# KiCad board leafony-ap03-stm32.kicad_pcb (continued)
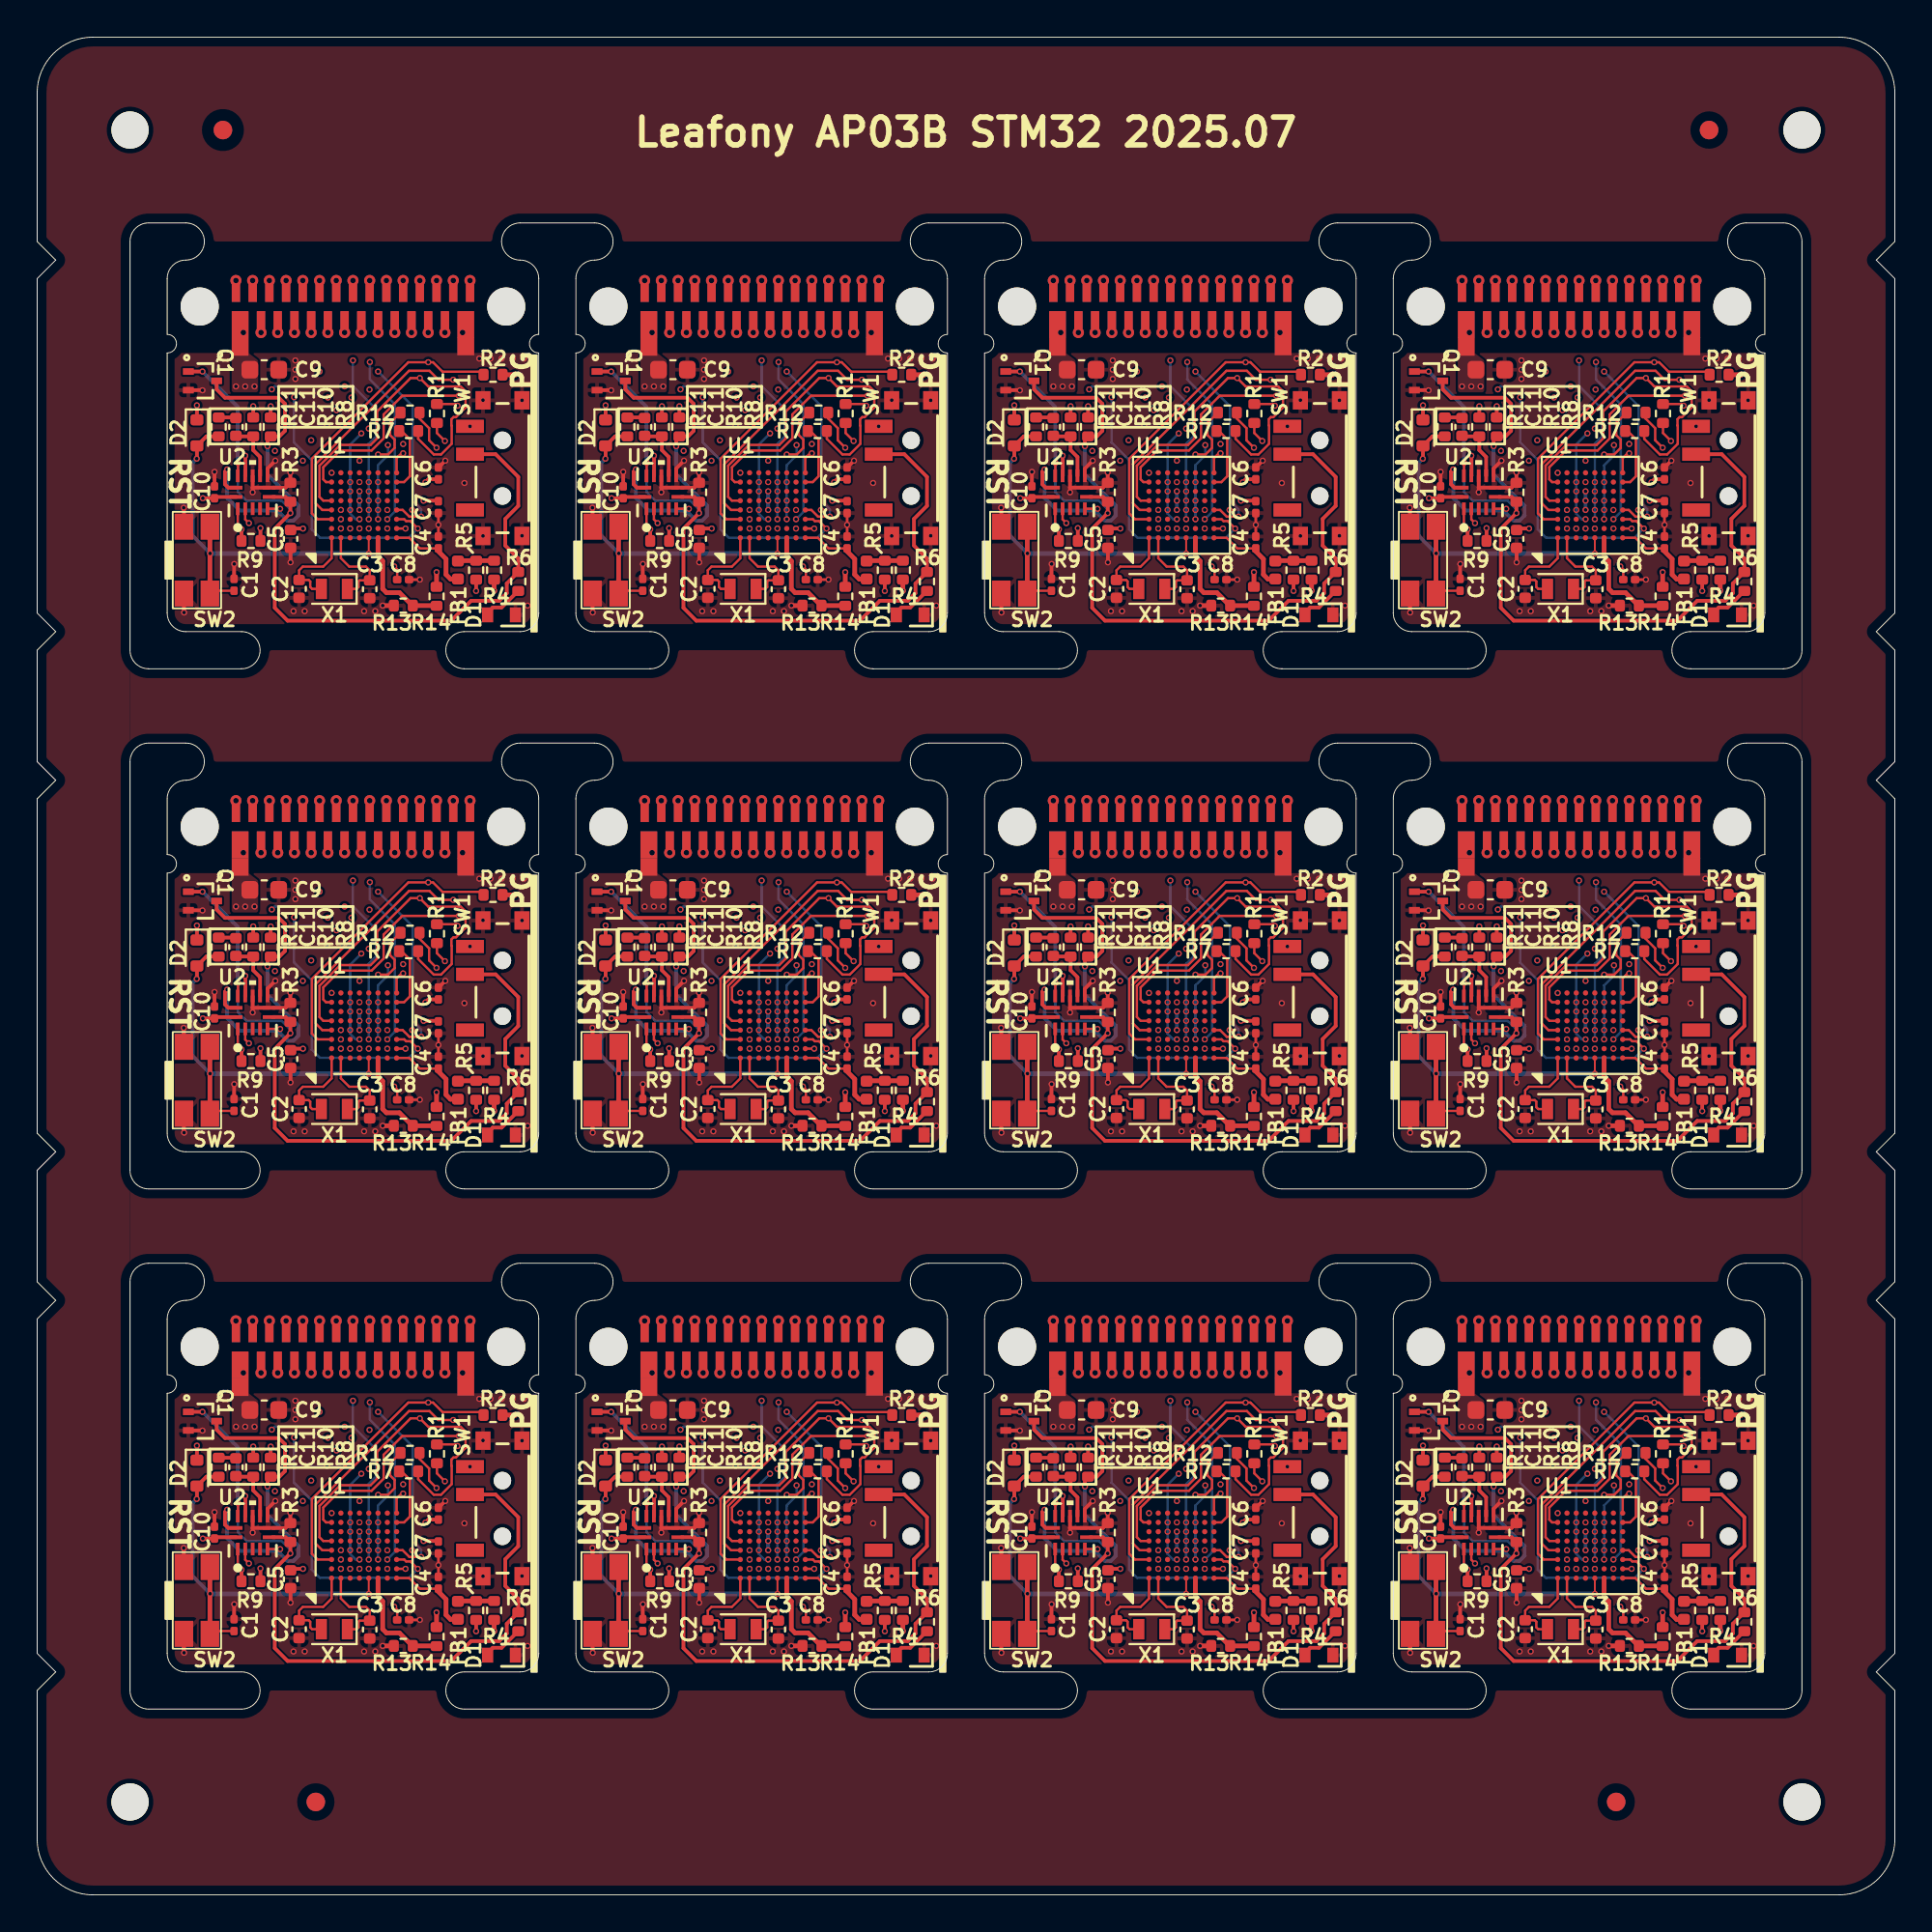
[diagram p0: board, top side]
## Footprints (pads in the part's own frame, mm; a bottom-side part is the same pattern mirrored in y, then rotated) (continued)
R_0402_1005Metric
  rrect 0.54x0.64 smd: 1(-0.51,0) 2(0.51,0)
RUC14
  rect 0.68x0.2 smd: 1(-0.885,0.8) 2(-0.885,0.4) 3(-0.885,0) 4(-0.885,-0.4) 5(-0.885,-0.8) 8(0.885,-0.8) 9(0.885,-0.4) 10(0.885,0) 11(0.885,0.4) 12(0.885,0.8)
  rect 0.2x0.68 smd: 6(-0.25,-0.885) 7(0.25,-0.885) 13(0.25,0.885) 14(-0.25,0.885)
UFBGA-64_5x5mm_Layout8x8_P0.5mm
  round 0.28 smd: A1(-1.75,1.75) A2(-1.25,1.75) A3(-0.75,1.75) A4(-0.25,1.75) A5(0.25,1.75) A6(0.75,1.75) A7(1.25,1.75) A8(1.75,1.75) B1(-1.75,1.25) B2(-1.25,1.25) B3(-0.75,1.25) B4(-0.25,1.25) B5(0.25,1.25) B6(0.75,1.25) B7(1.25,1.25) B8(1.75,1.25) C1(-1.75,0.75) C2(-1.25,0.75) C3(-0.75,0.75) C4(-0.25,0.75) C5(0.25,0.75) C6(0.75,0.75) C7(1.25,0.75) C8(1.75,0.75) D1(-1.75,0.25) D2(-1.25,0.25) D3(-0.75,0.25) D4(-0.25,0.25) D5(0.25,0.25) D6(0.75,0.25) D7(1.25,0.25) D8(1.75,0.25) E1(-1.75,-0.25) E2(-1.25,-0.25) E3(-0.75,-0.25) E4(-0.25,-0.25) E5(0.25,-0.25) E6(0.75,-0.25) E7(1.25,-0.25) E8(1.75,-0.25) F1(-1.75,-0.75) F2(-1.25,-0.75) F3(-0.75,-0.75) F4(-0.25,-0.75) F5(0.25,-0.75) F6(0.75,-0.75) F7(1.25,-0.75) F8(1.75,-0.75) G1(-1.75,-1.25) G2(-1.25,-1.25) G3(-0.75,-1.25) G4(-0.25,-1.25) G5(0.25,-1.25) G6(0.75,-1.25) G7(1.25,-1.25) G8(1.75,-1.25) H1(-1.75,-1.75) H2(-1.25,-1.75) H3(-0.75,-1.75) H4(-0.25,-1.75) H5(0.25,-1.75) H6(0.75,-1.75) H7(1.25,-1.75) H8(1.75,-1.75)

## Nets
+3V3: C5.1 C5#2.1 C5#3.1 C5#4.1 C5#5.1 C5#6.1 C5#7.1 C5#8.1 C5#9.1 C5#10.1 C5#11.1 C5#12.1 C6.1 C6#2.1 C6#3.1 C6#4.1 C6#5.1 C6#6.1 C6#7.1 C6#8.1 C6#9.1 C6#10.1 C6#11.1 C6#12.1 C7.1 C7#2.1 C7#3.1 C7#4.1 C7#5.1 C7#6.1 C7#7.1 C7#8.1 C7#9.1 C7#10.1 C7#11.1 C7#12.1 C8.1 C8#2.1 C8#3.1 C8#4.1 C8#5.1 C8#6.1 C8#7.1 C8#8.1 C8#9.1 C8#10.1 C8#11.1 C8#12.1 C9.1 C9#2.1 C9#3.1 C9#4.1 C9#5.1 C9#6.1 C9#7.1 C9#8.1 C9#9.1 C9#10.1 C9#11.1 C9#12.1 C10.1 C10#2.1 C10#3.1 C10#4.1 C10#5.1 C10#6.1 C10#7.1 C10#8.1 C10#9.1 C10#10.1 C10#11.1 C10#12.1 CN1.B1 CN1.F1 CN1#2.B1 CN1#2.F1 CN1#3.B1 CN1#3.F1 CN1#4.B1 CN1#4.F1 CN1#5.B1 CN1#5.F1 CN1#6.B1 CN1#6.F1 CN1#7.B1 CN1#7.F1 CN1#8.B1 CN1#8.F1 CN1#9.B1 CN1#9.F1 CN1#10.B1 CN1#10.F1 CN1#11.B1 CN1#11.F1 CN1#12.B1 CN1#12.F1 D2.1 D2#2.1 D2#3.1 D2#4.1 D2#5.1 D2#6.1 D2#7.1 D2#8.1 D2#9.1 D2#10.1 D2#11.1 D2#12.1 R1.1 R1#2.1 R1#3.1 R1#4.1 R1#5.1 R1#6.1 R1#7.1 R1#8.1 R1#9.1 R1#10.1 R1#11.1 R1#12.1 R2.1 R2#2.1 R2#3.1 R2#4.1 R2#5.1 R2#6.1 R2#7.1 R2#8.1 R2#9.1 R2#10.1 R2#11.1 R2#12.1 R4.2 R4#2.2 R4#3.2 R4#4.2 R4#5.2 R4#6.2 R4#7.2 R4#8.2 R4#9.2 R4#10.2 R4#11.2 R4#12.2 R8.1 R8#2.1 R8#3.1 R8#4.1 R8#5.1 R8#6.1 R8#7.1 R8#8.1 R8#9.1 R8#10.1 R8#11.1 R8#12.1 R10.1 R10#2.1 R10#3.1 R10#4.1 R10#5.1 R10#6.1 R10#7.1 R10#8.1 R10#9.1 R10#10.1 R10#11.1 R10#12.1 SW1.3 SW1#2.3 SW1#3.3 SW1#4.3 SW1#5.3 SW1#6.3 SW1#7.3 SW1#8.3 SW1#9.3 SW1#10.3 SW1#11.3 SW1#12.3 U1.B2 U1.D2 U1.E4 U1.E5 U1.E6 U1#2.B2 U1#2.D2 U1#2.E4 U1#2.E5 U1#2.E6 U1#3.B2 U1#3.D2 U1#3.E4 U1#3.E5 U1#3.E6 U1#4.B2 U1#4.D2 U1#4.E4 U1#4.E5 U1#4.E6 U1#5.B2 U1#5.D2 U1#5.E4 U1#5.E5 U1#5.E6 U1#6.B2 U1#6.D2 U1#6.E4 U1#6.E5 U1#6.E6 U1#7.B2 U1#7.D2 U1#7.E4 U1#7.E5 U1#7.E6 U1#8.B2 U1#8.D2 U1#8.E4 U1#8.E5 U1#8.E6 U1#9.B2 U1#9.D2 U1#9.E4 U1#9.E5 U1#9.E6 U1#10.B2 U1#10.D2 U1#10.E4 U1#10.E5 U1#10.E6 U1#11.B2 U1#11.D2 U1#11.E4 U1#11.E5 U1#11.E6 U1#12.B2 U1#12.D2 U1#12.E4 U1#12.E5 U1#12.E6 U2.14 U2#2.14 U2#3.14 U2#4.14 U2#5.14 U2#6.14 U2#7.14 U2#8.14 U2#9.14 U2#10.14 U2#11.14 U2#12.14
GND: C1.2 C1#2.2 C1#3.2 C1#4.2 C1#5.2 C1#6.2 C1#7.2 C1#8.2 C1#9.2 C1#10.2 C1#11.2 C1#12.2 C2.2 C2#2.2 C2#3.2 C2#4.2 C2#5.2 C2#6.2 C2#7.2 C2#8.2 C2#9.2 C2#10.2 C2#11.2 C2#12.2 C3.2 C3#2.2 C3#3.2 C3#4.2 C3#5.2 C3#6.2 C3#7.2 C3#8.2 C3#9.2 C3#10.2 C3#11.2 C3#12.2 C4.2 C4#2.2 C4#3.2 C4#4.2 C4#5.2 C4#6.2 C4#7.2 C4#8.2 C4#9.2 C4#10.2 C4#11.2 C4#12.2 C5.2 C5#2.2 C5#3.2 C5#4.2 C5#5.2 C5#6.2 C5#7.2 C5#8.2 C5#9.2 C5#10.2 C5#11.2 C5#12.2 C6.2 C6#2.2 C6#3.2 C6#4.2 C6#5.2 C6#6.2 C6#7.2 C6#8.2 C6#9.2 C6#10.2 C6#11.2 C6#12.2 C7.2 C7#2.2 C7#3.2 C7#4.2 C7#5.2 C7#6.2 C7#7.2 C7#8.2 C7#9.2 C7#10.2 C7#11.2 C7#12.2 C8.2 C8#2.2 C8#3.2 C8#4.2 C8#5.2 C8#6.2 C8#7.2 C8#8.2 C8#9.2 C8#10.2 C8#11.2 C8#12.2 C9.2 C9#2.2 C9#3.2 C9#4.2 C9#5.2 C9#6.2 C9#7.2 C9#8.2 C9#9.2 C9#10.2 C9#11.2 C9#12.2 C10.2 C10#2.2 C10#3.2 C10#4.2 C10#5.2 C10#6.2 C10#7.2 C10#8.2 C10#9.2 C10#10.2 C10#11.2 C10#12.2 CN1.B27 CN1.F27 CN1#2.B27 CN1#2.F27 CN1#3.B27 CN1#3.F27 CN1#4.B27 CN1#4.F27 CN1#5.B27 CN1#5.F27 CN1#6.B27 CN1#6.F27 CN1#7.B27 CN1#7.F27 CN1#8.B27 CN1#8.F27 CN1#9.B27 CN1#9.F27 CN1#10.B27 CN1#10.F27 CN1#11.B27 CN1#11.F27 CN1#12.B27 CN1#12.F27 D1.1 D1#2.1 D1#3.1 D1#4.1 D1#5.1 D1#6.1 D1#7.1 D1#8.1 D1#9.1 D1#10.1 D1#11.1 D1#12.1 Q1.2 Q1#2.2 Q1#3.2 Q1#4.2 Q1#5.2 Q1#6.2 Q1#7.2 Q1#8.2 Q1#9.2 Q1#10.2 Q1#11.2 Q1#12.2 R3.2 R3#2.2 R3#3.2 R3#4.2 R3#5.2 R3#6.2 R3#7.2 R3#8.2 R3#9.2 R3#10.2 R3#11.2 R3#12.2 R13.1 R13#2.1 R13#3.1 R13#4.1 R13#5.1 R13#6.1 R13#7.1 R13#8.1 R13#9.1 R13#10.1 R13#11.1 R13#12.1 SW1.SH SW1#2.SH SW1#3.SH SW1#4.SH SW1#5.SH SW1#6.SH SW1#7.SH SW1#8.SH SW1#9.SH SW1#10.SH SW1#11.SH SW1#12.SH SW2.2 SW2.3 SW2#2.2 SW2#2.3 SW2#3.2 SW2#3.3 SW2#4.2 SW2#4.3 SW2#5.2 SW2#5.3 SW2#6.2 SW2#6.3 SW2#7.2 SW2#7.3 SW2#8.2 SW2#8.3 SW2#9.2 SW2#9.3 SW2#10.2 SW2#10.3 SW2#11.2 SW2#11.3 SW2#12.2 SW2#12.3 U1.C2 U1.D4 U1.D5 U1.D6 U1#2.C2 U1#2.D4 U1#2.D5 U1#2.D6 U1#3.C2 U1#3.D4 U1#3.D5 U1#3.D6 U1#4.C2 U1#4.D4 U1#4.D5 U1#4.D6 U1#5.C2 U1#5.D4 U1#5.D5 U1#5.D6 U1#6.C2 U1#6.D4 U1#6.D5 U1#6.D6 U1#7.C2 U1#7.D4 U1#7.D5 U1#7.D6 U1#8.C2 U1#8.D4 U1#8.D5 U1#8.D6 U1#9.C2 U1#9.D4 U1#9.D5 U1#9.D6 U1#10.C2 U1#10.D4 U1#10.D5 U1#10.D6 U1#11.C2 U1#11.D4 U1#11.D5 U1#11.D6 U1#12.C2 U1#12.D4 U1#12.D5 U1#12.D6 U2.7 U2.8 U2.10 U2#2.7 U2#2.8 U2#2.10 U2#3.7 U2#3.8 U2#3.10 U2#4.7 U2#4.8 U2#4.10 U2#5.7 U2#5.8 U2#5.10 U2#6.7 U2#6.8 U2#6.10 U2#7.7 U2#7.8 U2#7.10 U2#8.7 U2#8.8 U2#8.10 U2#9.7 U2#9.8 U2#9.10 U2#10.7 U2#10.8 U2#10.10 U2#11.7 U2#11.8 U2#11.10 U2#12.7 U2#12.8 U2#12.10
A0: CN1.B6 CN1.F6 CN1#2.B6 CN1#2.F6 CN1#3.B6 CN1#3.F6 CN1#4.B6 CN1#4.F6 CN1#5.B6 CN1#5.F6 CN1#6.B6 CN1#6.F6 CN1#7.B6 CN1#7.F6 CN1#8.B6 CN1#8.F6 CN1#9.B6 CN1#9.F6 CN1#10.B6 CN1#10.F6 CN1#11.B6 CN1#11.F6 CN1#12.B6 CN1#12.F6 U1.H3 U1#2.H3 U1#3.H3 U1#4.H3 U1#5.H3 U1#6.H3 U1#7.H3 U1#8.H3 U1#9.H3 U1#10.H3 U1#11.H3 U1#12.H3
A1: CN1.B8 CN1.F8 CN1#2.B8 CN1#2.F8 CN1#3.B8 CN1#3.F8 CN1#4.B8 CN1#4.F8 CN1#5.B8 CN1#5.F8 CN1#6.B8 CN1#6.F8 CN1#7.B8 CN1#7.F8 CN1#8.B8 CN1#8.F8 CN1#9.B8 CN1#9.F8 CN1#10.B8 CN1#10.F8 CN1#11.B8 CN1#11.F8 CN1#12.B8 CN1#12.F8 U1.G2 U1#2.G2 U1#3.G2 U1#4.G2 U1#5.G2 U1#6.G2 U1#7.G2 U1#8.G2 U1#9.G2 U1#10.G2 U1#11.G2 U1#12.G2
A2: CN1.B10 CN1.F10 CN1#2.B10 CN1#2.F10 CN1#3.B10 CN1#3.F10 CN1#4.B10 CN1#4.F10 CN1#5.B10 CN1#5.F10 CN1#6.B10 CN1#6.F10 CN1#7.B10 CN1#7.F10 CN1#8.B10 CN1#8.F10 CN1#9.B10 CN1#9.F10 CN1#10.B10 CN1#10.F10 CN1#11.B10 CN1#11.F10 CN1#12.B10 CN1#12.F10 U1.H2 U1#2.H2 U1#3.H2 U1#4.H2 U1#5.H2 U1#6.H2 U1#7.H2 U1#8.H2 U1#9.H2 U1#10.H2 U1#11.H2 U1#12.H2
A3: CN1.B12 CN1.F12 CN1#2.B12 CN1#2.F12 CN1#3.B12 CN1#3.F12 CN1#4.B12 CN1#4.F12 CN1#5.B12 CN1#5.F12 CN1#6.B12 CN1#6.F12 CN1#7.B12 CN1#7.F12 CN1#8.B12 CN1#8.F12 CN1#9.B12 CN1#9.F12 CN1#10.B12 CN1#10.F12 CN1#11.B12 CN1#11.F12 CN1#12.B12 CN1#12.F12 R14.2 R14#2.2 R14#3.2 R14#4.2 R14#5.2 R14#6.2 R14#7.2 R14#8.2 R14#9.2 R14#10.2 R14#11.2 R14#12.2 U1.F5 U1#2.F5 U1#3.F5 U1#4.F5 U1#5.F5 U1#6.F5 U1#7.F5 U1#8.F5 U1#9.F5 U1#10.F5 U1#11.F5 U1#12.F5
A4: CN1.B14 CN1.F14 CN1#2.B14 CN1#2.F14 CN1#3.B14 CN1#3.F14 CN1#4.B14 CN1#4.F14 CN1#5.B14 CN1#5.F14 CN1#6.B14 CN1#6.F14 CN1#7.B14 CN1#7.F14 CN1#8.B14 CN1#8.F14 CN1#9.B14 CN1#9.F14 CN1#10.B14 CN1#10.F14 CN1#11.B14 CN1#11.F14 CN1#12.B14 CN1#12.F14 U1.E2 U1#2.E2 U1#3.E2 U1#4.E2 U1#5.E2 U1#6.E2 U1#7.E2 U1#8.E2 U1#9.E2 U1#10.E2 U1#11.E2 U1#12.E2
A5: CN1.B16 CN1.F16 CN1#2.B16 CN1#2.F16 CN1#3.B16 CN1#3.F16 CN1#4.B16 CN1#4.F16 CN1#5.B16 CN1#5.F16 CN1#6.B16 CN1#6.F16 CN1#7.B16 CN1#7.F16 CN1#8.B16 CN1#8.F16 CN1#9.B16 CN1#9.F16 CN1#10.B16 CN1#10.F16 CN1#11.B16 CN1#11.F16 CN1#12.B16 CN1#12.F16 U1.E3 U1#2.E3 U1#3.E3 U1#4.E3 U1#5.E3 U1#6.E3 U1#7.E3 U1#8.E3 U1#9.E3 U1#10.E3 U1#11.E3 U1#12.E3
AREF: CN1.B4 CN1.F4 CN1#2.B4 CN1#2.F4 CN1#3.B4 CN1#3.F4 CN1#4.B4 CN1#4.F4 CN1#5.B4 CN1#5.F4 CN1#6.B4 CN1#6.F4 CN1#7.B4 CN1#7.F4 CN1#8.B4 CN1#8.F4 CN1#9.B4 CN1#9.F4 CN1#10.B4 CN1#10.F4 CN1#11.B4 CN1#11.F4 CN1#12.B4 CN1#12.F4 R5.2 R5#2.2 R5#3.2 R5#4.2 R5#5.2 R5#6.2 R5#7.2 R5#8.2 R5#9.2 R5#10.2 R5#11.2 R5#12.2
BOOT0: Q1.1 Q1#2.1 Q1#3.1 Q1#4.1 Q1#5.1 Q1#6.1 Q1#7.1 Q1#8.1 Q1#9.1 Q1#10.1 Q1#11.1 Q1#12.1 R3.1 R3#2.1 R3#3.1 R3#4.1 R3#5.1 R3#6.1 R3#7.1 R3#8.1 R3#9.1 R3#10.1 R3#11.1 R3#12.1 R6.1 R6#2.1 R6#3.1 R6#4.1 R6#5.1 R6#6.1 R6#7.1 R6#8.1 R6#9.1 R6#10.1 R6#11.1 R6#12.1 SW1.2 SW1#2.2 SW1#3.2 SW1#4.2 SW1#5.2 SW1#6.2 SW1#7.2 SW1#8.2 SW1#9.2 SW1#10.2 SW1#11.2 SW1#12.2 U1.B4 U1#2.B4 U1#3.B4 U1#4.B4 U1#5.B4 U1#6.B4 U1#7.B4 U1#8.B4 U1#9.B4 U1#10.B4 U1#11.B4 U1#12.B4 U2.6 U2.12 U2#2.6 U2#2.12 U2#3.6 U2#3.12 U2#4.6 U2#4.12 U2#5.6 U2#5.12 U2#6.6 U2#6.12 U2#7.6 U2#7.12 U2#8.6 U2#8.12 U2#9.6 U2#9.12 U2#10.6 U2#10.12 U2#11.6 U2#11.12 U2#12.6 U2#12.12
D0: CN1.B18 CN1.F18 CN1#2.B18 CN1#2.F18 CN1#3.B18 CN1#3.F18 CN1#4.B18 CN1#4.F18 CN1#5.B18 CN1#5.F18 CN1#6.B18 CN1#6.F18 CN1#7.B18 CN1#7.F18 CN1#8.B18 CN1#8.F18 CN1#9.B18 CN1#9.F18 CN1#10.B18 CN1#10.F18 CN1#11.B18 CN1#11.F18 CN1#12.B18 CN1#12.F18 U1.G3 U1#2.G3 U1#3.G3 U1#4.G3 U1#5.G3 U1#6.G3 U1#7.G3 U1#8.G3 U1#9.G3 U1#10.G3 U1#11.G3 U1#12.G3
D1: CN1.B20 CN1.F20 CN1#2.B20 CN1#2.F20 CN1#3.B20 CN1#3.F20 CN1#4.B20 CN1#4.F20 CN1#5.B20 CN1#5.F20 CN1#6.B20 CN1#6.F20 CN1#7.B20 CN1#7.F20 CN1#8.B20 CN1#8.F20 CN1#9.B20 CN1#9.F20 CN1#10.B20 CN1#10.F20 CN1#11.B20 CN1#11.F20 CN1#12.B20 CN1#12.F20 U1.F3 U1#2.F3 U1#3.F3 U1#4.F3 U1#5.F3 U1#6.F3 U1#7.F3 U1#8.F3 U1#9.F3 U1#10.F3 U1#11.F3 U1#12.F3
D2: CN1.B22 CN1.F22 CN1#2.B22 CN1#2.F22 CN1#3.B22 CN1#3.F22 CN1#4.B22 CN1#4.F22 CN1#5.B22 CN1#5.F22 CN1#6.B22 CN1#6.F22 CN1#7.B22 CN1#7.F22 CN1#8.B22 CN1#8.F22 CN1#9.B22 CN1#9.F22 CN1#10.B22 CN1#10.F22 CN1#11.B22 CN1#11.F22 CN1#12.B22 CN1#12.F22 U1.E7 U1#2.E7 U1#3.E7 U1#4.E7 U1#5.E7 U1#6.E7 U1#7.E7 U1#8.E7 U1#9.E7 U1#10.E7 U1#11.E7 U1#12.E7
D3: CN1.B24 CN1.F24 CN1#2.B24 CN1#2.F24 CN1#3.B24 CN1#3.F24 CN1#4.B24 CN1#4.F24 CN1#5.B24 CN1#5.F24 CN1#6.B24 CN1#6.F24 CN1#7.B24 CN1#7.F24 CN1#8.B24 CN1#8.F24 CN1#9.B24 CN1#9.F24 CN1#10.B24 CN1#10.F24 CN1#11.B24 CN1#11.F24 CN1#12.B24 CN1#12.F24 R7.2 R7#2.2 R7#3.2 R7#4.2 R7#5.2 R7#6.2 R7#7.2 R7#8.2 R7#9.2 R7#10.2 R7#11.2 R7#12.2 U1.A5 U1#2.A5 U1#3.A5 U1#4.A5 U1#5.A5 U1#6.A5 U1#7.A5 U1#8.A5 U1#9.A5 U1#10.A5 U1#11.A5 U1#12.A5
D4: CN1.B26 CN1.F26 CN1#2.B26 CN1#2.F26 CN1#3.B26 CN1#3.F26 CN1#4.B26 CN1#4.F26 CN1#5.B26 CN1#5.F26 CN1#6.B26 CN1#6.F26 CN1#7.B26 CN1#7.F26 CN1#8.B26 CN1#8.F26 CN1#9.B26 CN1#9.F26 CN1#10.B26 CN1#10.F26 CN1#11.B26 CN1#11.F26 CN1#12.B26 CN1#12.F26 R12.2 R12#2.2 R12#3.2 R12#4.2 R12#5.2 R12#6.2 R12#7.2 R12#8.2 R12#9.2 R12#10.2 R12#11.2 R12#12.2 U1.C4 U1#2.C4 U1#3.C4 U1#4.C4 U1#5.C4 U1#6.C4 U1#7.C4 U1#8.C4 U1#9.C4 U1#10.C4 U1#11.C4 U1#12.C4
D5: CN1.B28 CN1.F28 CN1#2.B28 CN1#2.F28 CN1#3.B28 CN1#3.F28 CN1#4.B28 CN1#4.F28 CN1#5.B28 CN1#5.F28 CN1#6.B28 CN1#6.F28 CN1#7.B28 CN1#7.F28 CN1#8.B28 CN1#8.F28 CN1#9.B28 CN1#9.F28 CN1#10.B28 CN1#10.F28 CN1#11.B28 CN1#11.F28 CN1#12.B28 CN1#12.F28 U1.A4 U1#2.A4 U1#3.A4 U1#4.A4 U1#5.A4 U1#6.A4 U1#7.A4 U1#8.A4 U1#9.A4 U1#10.A4 U1#11.A4 U1#12.A4
D6: CN1.B7 CN1.F7 CN1#2.B7 CN1#2.F7 CN1#3.B7 CN1#3.F7 CN1#4.B7 CN1#4.F7 CN1#5.B7 CN1#5.F7 CN1#6.B7 CN1#6.F7 CN1#7.B7 CN1#7.F7 CN1#8.B7 CN1#8.F7 CN1#9.B7 CN1#9.F7 CN1#10.B7 CN1#10.F7 CN1#11.B7 CN1#11.F7 CN1#12.B7 CN1#12.F7 U1.D7 U1#2.D7 U1#3.D7 U1#4.D7 U1#5.D7 U1#6.D7 U1#7.D7 U1#8.D7 U1#9.D7 U1#10.D7 U1#11.D7 U1#12.D7
D7: CN1.B9 CN1.F9 CN1#2.B9 CN1#2.F9 CN1#3.B9 CN1#3.F9 CN1#4.B9 CN1#4.F9 CN1#5.B9 CN1#5.F9 CN1#6.B9 CN1#6.F9 CN1#7.B9 CN1#7.F9 CN1#8.B9 CN1#8.F9 CN1#9.B9 CN1#9.F9 CN1#10.B9 CN1#10.F9 CN1#11.B9 CN1#11.F9 CN1#12.B9 CN1#12.F9 U1.H8 U1#2.H8 U1#3.H8 U1#4.H8 U1#5.H8 U1#6.H8 U1#7.H8 U1#8.H8 U1#9.H8 U1#10.H8 U1#11.H8 U1#12.H8
D8: CN1.B11 CN1.F11 CN1#2.B11 CN1#2.F11 CN1#3.B11 CN1#3.F11 CN1#4.B11 CN1#4.F11 CN1#5.B11 CN1#5.F11 CN1#6.B11 CN1#6.F11 CN1#7.B11 CN1#7.F11 CN1#8.B11 CN1#8.F11 CN1#9.B11 CN1#9.F11 CN1#10.B11 CN1#10.F11 CN1#11.B11 CN1#11.F11 CN1#12.B11 CN1#12.F11 U1.C7 U1#2.C7 U1#3.C7 U1#4.C7 U1#5.C7 U1#6.C7 U1#7.C7 U1#8.C7 U1#9.C7 U1#10.C7 U1#11.C7 U1#12.C7
D9: CN1.B13 CN1.F13 CN1#2.B13 CN1#2.F13 CN1#3.B13 CN1#3.F13 CN1#4.B13 CN1#4.F13 CN1#5.B13 CN1#5.F13 CN1#6.B13 CN1#6.F13 CN1#7.B13 CN1#7.F13 CN1#8.B13 CN1#8.F13 CN1#9.B13 CN1#9.F13 CN1#10.B13 CN1#10.F13 CN1#11.B13 CN1#11.F13 CN1#12.B13 CN1#12.F13 U2.2 U2#2.2 U2#3.2 U2#4.2 U2#5.2 U2#6.2 U2#7.2 U2#8.2 U2#9.2 U2#10.2 U2#11.2 U2#12.2
D10: CN1.B15 CN1.F15 CN1#2.B15 CN1#2.F15 CN1#3.B15 CN1#3.F15 CN1#4.B15 CN1#4.F15 CN1#5.B15 CN1#5.F15 CN1#6.B15 CN1#6.F15 CN1#7.B15 CN1#7.F15 CN1#8.B15 CN1#8.F15 CN1#9.B15 CN1#9.F15 CN1#10.B15 CN1#10.F15 CN1#11.B15 CN1#11.F15 CN1#12.B15 CN1#12.F15 U1.D3 U1#2.D3 U1#3.D3 U1#4.D3 U1#5.D3 U1#6.D3 U1#7.D3 U1#8.D3 U1#9.D3 U1#10.D3 U1#11.D3 U1#12.D3
D11: CN1.B17 CN1.F17 CN1#2.B17 CN1#2.F17 CN1#3.B17 CN1#3.F17 CN1#4.B17 CN1#4.F17 CN1#5.B17 CN1#5.F17 CN1#6.B17 CN1#6.F17 CN1#7.B17 CN1#7.F17 CN1#8.B17 CN1#8.F17 CN1#9.B17 CN1#9.F17 CN1#10.B17 CN1#10.F17 CN1#11.B17 CN1#11.F17 CN1#12.B17 CN1#12.F17 U1.H4 U1#2.H4 U1#3.H4 U1#4.H4 U1#5.H4 U1#6.H4 U1#7.H4 U1#8.H4 U1#9.H4 U1#10.H4 U1#11.H4 U1#12.H4
D12: CN1.B19 CN1.F19 CN1#2.B19 CN1#2.F19 CN1#3.B19 CN1#3.F19 CN1#4.B19 CN1#4.F19 CN1#5.B19 CN1#5.F19 CN1#6.B19 CN1#6.F19 CN1#7.B19 CN1#7.F19 CN1#8.B19 CN1#8.F19 CN1#9.B19 CN1#9.F19 CN1#10.B19 CN1#10.F19 CN1#11.B19 CN1#11.F19 CN1#12.B19 CN1#12.F19 U1.G4 U1#2.G4 U1#3.G4 U1#4.G4 U1#5.G4 U1#6.G4 U1#7.G4 U1#8.G4 U1#9.G4 U1#10.G4 U1#11.G4 U1#12.G4
D13: CN1.B21 CN1.F21 CN1#2.B21 CN1#2.F21 CN1#3.B21 CN1#3.F21 CN1#4.B21 CN1#4.F21 CN1#5.B21 CN1#5.F21 CN1#6.B21 CN1#6.F21 CN1#7.B21 CN1#7.F21 CN1#8.B21 CN1#8.F21 CN1#9.B21 CN1#9.F21 CN1#10.B21 CN1#10.F21 CN1#11.B21 CN1#11.F21 CN1#12.B21 CN1#12.F21 U1.F4 U1#2.F4 U1#3.F4 U1#4.F4 U1#5.F4 U1#6.F4 U1#7.F4 U1#8.F4 U1#9.F4 U1#10.F4 U1#11.F4 U1#12.F4
PA10: R9.1 R9#2.1 R9#3.1 R9#4.1 R9#5.1 R9#6.1 R9#7.1 R9#8.1 R9#9.1 R9#10.1 R9#11.1 R9#12.1 U1.C6 U1#2.C6 U1#3.C6 U1#4.C6 U1#5.C6 U1#6.C6 U1#7.C6 U1#8.C6 U1#9.C6 U1#10.C6 U1#11.C6 U1#12.C6 U2.1 U2#2.1 U2#3.1 U2#4.1 U2#5.1 U2#6.1 U2#7.1 U2#8.1 U2#9.1 U2#10.1 U2#11.1 U2#12.1
RESET: C1.1 C1#2.1 C1#3.1 C1#4.1 C1#5.1 C1#6.1 C1#7.1 C1#8.1 C1#9.1 C1#10.1 C1#11.1 C1#12.1 CN1.B5 CN1.F5 CN1#2.B5 CN1#2.F5 CN1#3.B5 CN1#3.F5 CN1#4.B5 CN1#4.F5 CN1#5.B5 CN1#5.F5 CN1#6.B5 CN1#6.F5 CN1#7.B5 CN1#7.F5 CN1#8.B5 CN1#8.F5 CN1#9.B5 CN1#9.F5 CN1#10.B5 CN1#10.F5 CN1#11.B5 CN1#11.F5 CN1#12.B5 CN1#12.F5 D2.2 D2#2.2 D2#3.2 D2#4.2 D2#5.2 D2#6.2 D2#7.2 D2#8.2 D2#9.2 D2#10.2 D2#11.2 D2#12.2 R11.2 R11#2.2 R11#3.2 R11#4.2 R11#5.2 R11#6.2 R11#7.2 R11#8.2 R11#9.2 R11#10.2 R11#11.2 R11#12.2 SW2.1 SW2.4 SW2#2.1 SW2#2.4 SW2#3.1 SW2#3.4 SW2#4.1 SW2#4.4 SW2#5.1 SW2#5.4 SW2#6.1 SW2#6.4 SW2#7.1 SW2#7.4 SW2#8.1 SW2#8.4 SW2#9.1 SW2#9.4 SW2#10.1 SW2#10.4 SW2#11.1 SW2#11.4 SW2#12.1 SW2#12.4 U1.E1 U1#2.E1 U1#3.E1 U1#4.E1 U1#5.E1 U1#6.E1 U1#7.E1 U1#8.E1 U1#9.E1 U1#10.E1 U1#11.E1 U1#12.E1
SCL: CN1.B25 CN1.F25 CN1#2.B25 CN1#2.F25 CN1#3.B25 CN1#3.F25 CN1#4.B25 CN1#4.F25 CN1#5.B25 CN1#5.F25 CN1#6.B25 CN1#6.F25 CN1#7.B25 CN1#7.F25 CN1#8.B25 CN1#8.F25 CN1#9.B25 CN1#9.F25 CN1#10.B25 CN1#10.F25 CN1#11.B25 CN1#11.F25 CN1#12.B25 CN1#12.F25 R1.2 R1#2.2 R1#3.2 R1#4.2 R1#5.2 R1#6.2 R1#7.2 R1#8.2 R1#9.2 R1#10.2 R1#11.2 R1#12.2 U1.B3 U1#2.B3 U1#3.B3 U1#4.B3 U1#5.B3 U1#6.B3 U1#7.B3 U1#8.B3 U1#9.B3 U1#10.B3 U1#11.B3 U1#12.B3
SDA: CN1.B23 CN1.F23 CN1#2.B23 CN1#2.F23 CN1#3.B23 CN1#3.F23 CN1#4.B23 CN1#4.F23 CN1#5.B23 CN1#5.F23 CN1#6.B23 CN1#6.F23 CN1#7.B23 CN1#7.F23 CN1#8.B23 CN1#8.F23 CN1#9.B23 CN1#9.F23 CN1#10.B23 CN1#10.F23 CN1#11.B23 CN1#11.F23 CN1#12.B23 CN1#12.F23 R2.2 R2#2.2 R2#3.2 R2#4.2 R2#5.2 R2#6.2 R2#7.2 R2#8.2 R2#9.2 R2#10.2 R2#11.2 R2#12.2 U1.A3 U1#2.A3 U1#3.A3 U1#4.A3 U1#5.A3 U1#6.A3 U1#7.A3 U1#8.A3 U1#9.A3 U1#10.A3 U1#11.A3 U1#12.A3
SWCLK: CN1.B29 CN1.F29 CN1#2.B29 CN1#2.F29 CN1#3.B29 CN1#3.F29 CN1#4.B29 CN1#4.F29 CN1#5.B29 CN1#5.F29 CN1#6.B29 CN1#6.F29 CN1#7.B29 CN1#7.F29 CN1#8.B29 CN1#8.F29 CN1#9.B29 CN1#9.F29 CN1#10.B29 CN1#10.F29 CN1#11.B29 CN1#11.F29 CN1#12.B29 CN1#12.F29 U1.A7 U1#2.A7 U1#3.A7 U1#4.A7 U1#5.A7 U1#6.A7 U1#7.A7 U1#8.A7 U1#9.A7 U1#10.A7 U1#11.A7 U1#12.A7
SWDIO: CN1.B2 CN1.F2 CN1#2.B2 CN1#2.F2 CN1#3.B2 CN1#3.F2 CN1#4.B2 CN1#4.F2 CN1#5.B2 CN1#5.F2 CN1#6.B2 CN1#6.F2 CN1#7.B2 CN1#7.F2 CN1#8.B2 CN1#8.F2 CN1#9.B2 CN1#9.F2 CN1#10.B2 CN1#10.F2 CN1#11.B2 CN1#11.F2 CN1#12.B2 CN1#12.F2 U1.A8 U1#2.A8 U1#3.A8 U1#4.A8 U1#5.A8 U1#6.A8 U1#7.A8 U1#8.A8 U1#9.A8 U1#10.A8 U1#11.A8 U1#12.A8
Net-(C11-Pad2): C11.2 C11#2.2 C11#3.2 C11#4.2 C11#5.2 C11#6.2 C11#7.2 C11#8.2 C11#9.2 C11#10.2 C11#11.2 C11#12.2 R11.1 R11#2.1 R11#3.1 R11#4.1 R11#5.1 R11#6.1 R11#7.1 R11#8.1 R11#9.1 R11#10.1 R11#11.1 R11#12.1
Net-(D1-A): D1.2 D1#2.2 D1#3.2 D1#4.2 D1#5.2 D1#6.2 D1#7.2 D1#8.2 D1#9.2 D1#10.2 D1#11.2 D1#12.2 R6.2 R6#2.2 R6#3.2 R6#4.2 R6#5.2 R6#6.2 R6#7.2 R6#8.2 R6#9.2 R6#10.2 R6#11.2 R6#12.2
Net-(FB1-Pad2): FB1.2 FB1#2.2 FB1#3.2 FB1#4.2 FB1#5.2 FB1#6.2 FB1#7.2 FB1#8.2 FB1#9.2 FB1#10.2 FB1#11.2 FB1#12.2 R4.1 R4#2.1 R4#3.1 R4#4.1 R4#5.1 R4#6.1 R4#7.1 R4#8.1 R4#9.1 R4#10.1 R4#11.1 R4#12.1 R5.1 R5#2.1 R5#3.1 R5#4.1 R5#5.1 R5#6.1 R5#7.1 R5#8.1 R5#9.1 R5#10.1 R5#11.1 R5#12.1
Net-(U1-PB11): R7.1 R7#2.1 R7#3.1 R7#4.1 R7#5.1 R7#6.1 R7#7.1 R7#8.1 R7#9.1 R7#10.1 R7#11.1 R7#12.1 U1.H7 U1#2.H7 U1#3.H7 U1#4.H7 U1#5.H7 U1#6.H7 U1#7.H7 U1#8.H7 U1#9.H7 U1#10.H7 U1#11.H7 U1#12.H7
Net-(U1-PB15): R12.1 R12#2.1 R12#3.1 R12#4.1 R12#5.1 R12#6.1 R12#7.1 R12#8.1 R12#9.1 R12#10.1 R12#11.1 R12#12.1 U1.F7 U1#2.F7 U1#3.F7 U1#4.F7 U1#5.F7 U1#6.F7 U1#7.F7 U1#8.F7 U1#9.F7 U1#10.F7 U1#11.F7 U1#12.F7
Net-(U1-PC14): C2.1 C2#2.1 C2#3.1 C2#4.1 C2#5.1 C2#6.1 C2#7.1 C2#8.1 C2#9.1 C2#10.1 C2#11.1 C2#12.1 U1.A1 U1#2.A1 U1#3.A1 U1#4.A1 U1#5.A1 U1#6.A1 U1#7.A1 U1#8.A1 U1#9.A1 U1#10.A1 U1#11.A1 U1#12.A1 X1.2 X1#2.2 X1#3.2 X1#4.2 X1#5.2 X1#6.2 X1#7.2 X1#8.2 X1#9.2 X1#10.2 X1#11.2 X1#12.2
Net-(U1-PC15): C3.1 C3#2.1 C3#3.1 C3#4.1 C3#5.1 C3#6.1 C3#7.1 C3#8.1 C3#9.1 C3#10.1 C3#11.1 C3#12.1 U1.B1 U1#2.B1 U1#3.B1 U1#4.B1 U1#5.B1 U1#6.B1 U1#7.B1 U1#8.B1 U1#9.B1 U1#10.B1 U1#11.B1 U1#12.B1 X1.1 X1#2.1 X1#3.1 X1#4.1 X1#5.1 X1#6.1 X1#7.1 X1#8.1 X1#9.1 X1#10.1 X1#11.1 X1#12.1
Net-(U1-VDDA): C4.1 C4#2.1 C4#3.1 C4#4.1 C4#5.1 C4#6.1 C4#7.1 C4#8.1 C4#9.1 C4#10.1 C4#11.1 C4#12.1 FB1.1 FB1#2.1 FB1#3.1 FB1#4.1 FB1#5.1 FB1#6.1 FB1#7.1 FB1#8.1 FB1#9.1 FB1#10.1 FB1#11.1 FB1#12.1 U1.H1 U1#2.H1 U1#3.H1 U1#4.H1 U1#5.H1 U1#6.H1 U1#7.H1 U1#8.H1 U1#9.H1 U1#10.H1 U1#11.H1 U1#12.H1
Net-(U1-VSSA): R13.2 R13#2.2 R13#3.2 R13#4.2 R13#5.2 R13#6.2 R13#7.2 R13#8.2 R13#9.2 R13#10.2 R13#11.2 R13#12.2 R14.1 R14#2.1 R14#3.1 R14#4.1 R14#5.1 R14#6.1 R14#7.1 R14#8.1 R14#9.1 R14#10.1 R14#11.1 R14#12.1 U1.F1 U1#2.F1 U1#3.F1 U1#4.F1 U1#5.F1 U1#6.F1 U1#7.F1 U1#8.F1 U1#9.F1 U1#10.F1 U1#11.F1 U1#12.F1
Net-(U2-COM3): C11.1 C11#2.1 C11#3.1 C11#4.1 C11#5.1 C11#6.1 C11#7.1 C11#8.1 C11#9.1 C11#10.1 C11#11.1 C11#12.1 R10.2 R10#2.2 R10#3.2 R10#4.2 R10#5.2 R10#6.2 R10#7.2 R10#8.2 R10#9.2 R10#10.2 R10#11.2 R10#12.2 U2.9 U2#2.9 U2#3.9 U2#4.9 U2#5.9 U2#6.9 U2#7.9 U2#8.9 U2#9.9 U2#10.9 U2#11.9 U2#12.9
Net-(U2-IN1): Q1.3 Q1#2.3 Q1#3.3 Q1#4.3 Q1#5.3 Q1#6.3 Q1#7.3 Q1#8.3 Q1#9.3 Q1#10.3 Q1#11.3 Q1#12.3 R8.2 R8#2.2 R8#3.2 R8#4.2 R8#5.2 R8#6.2 R8#7.2 R8#8.2 R8#9.2 R8#10.2 R8#11.2 R8#12.2 U2.5 U2.13 U2#2.5 U2#2.13 U2#3.5 U2#3.13 U2#4.5 U2#4.13 U2#5.5 U2#5.13 U2#6.5 U2#6.13 U2#7.5 U2#7.13 U2#8.5 U2#8.13 U2#9.5 U2#9.13 U2#10.5 U2#10.13 U2#11.5 U2#11.13 U2#12.5 U2#12.13
Net-(U2-NO4): R9.2 R9#2.2 R9#3.2 R9#4.2 R9#5.2 R9#6.2 R9#7.2 R9#8.2 R9#9.2 R9#10.2 R9#11.2 R9#12.2 U2.11 U2#2.11 U2#3.11 U2#4.11 U2#5.11 U2#6.11 U2#7.11 U2#8.11 U2#9.11 U2#10.11 U2#11.11 U2#12.11

Pads without a net: CN1 B3 F3; CN1#2 B3 F3; CN1#3 B3 F3; CN1#4 B3 F3; CN1#5 B3 F3; CN1#6 B3 F3; CN1#7 B3 F3; CN1#8 B3 F3; CN1#9 B3 F3; CN1#10 B3 F3; CN1#11 B3 F3; CN1#12 B3 F3; SW1 1; SW1#2 1; SW1#3 1; SW1#4 1; SW1#5 1; SW1#6 1; SW1#7 1; SW1#8 1; SW1#9 1; SW1#10 1; SW1#11 1; SW1#12 1; U1 A2 A6 B5 B6 B7 B8 C1 C3 C5 C8 D1 D8 E8 F2 F6 F8 G1 G5 G6 G7 G8 H5 H6; U1#2 A2 A6 B5 B6 B7 B8 C1 C3 C5 C8 D1 D8 E8 F2 F6 F8 G1 G5 G6 G7 G8 H5 H6; U1#3 A2 A6 B5 B6 B7 B8 C1 C3 C5 C8 D1 D8 E8 F2 F6 F8 G1 G5 G6 G7 G8 H5 H6; U1#4 A2 A6 B5 B6 B7 B8 C1 C3 C5 C8 D1 D8 E8 F2 F6 F8 G1 G5 G6 G7 G8 H5 H6; U1#5 A2 A6 B5 B6 B7 B8 C1 C3 C5 C8 D1 D8 E8 F2 F6 F8 G1 G5 G6 G7 G8 H5 H6; U1#6 A2 A6 B5 B6 B7 B8 C1 C3 C5 C8 D1 D8 E8 F2 F6 F8 G1 G5 G6 G7 G8 H5 H6; U1#7 A2 A6 B5 B6 B7 B8 C1 C3 C5 C8 D1 D8 E8 F2 F6 F8 G1 G5 G6 G7 G8 H5 H6; U1#8 A2 A6 B5 B6 B7 B8 C1 C3 C5 C8 D1 D8 E8 F2 F6 F8 G1 G5 G6 G7 G8 H5 H6; U1#9 A2 A6 B5 B6 B7 B8 C1 C3 C5 C8 D1 D8 E8 F2 F6 F8 G1 G5 G6 G7 G8 H5 H6; U1#10 A2 A6 B5 B6 B7 B8 C1 C3 C5 C8 D1 D8 E8 F2 F6 F8 G1 G5 G6 G7 G8 H5 H6; U1#11 A2 A6 B5 B6 B7 B8 C1 C3 C5 C8 D1 D8 E8 F2 F6 F8 G1 G5 G6 G7 G8 H5 H6; U1#12 A2 A6 B5 B6 B7 B8 C1 C3 C5 C8 D1 D8 E8 F2 F6 F8 G1 G5 G6 G7 G8 H5 H6; U2 3 4; U2#2 3 4; U2#3 3 4; U2#4 3 4; U2#5 3 4; U2#6 3 4; U2#7 3 4; U2#8 3 4; U2#9 3 4; U2#10 3 4; U2#11 3 4; U2#12 3 4
